# Altium PCB DI543.PcbDoc (part 7 of 8)
Units mil, origin at the board's own origin, x right, y up, seen from the top; angles counter-clockwise.
Board outline 8666.42 x 9192.01 mil, 4 copper layers (Top Layer, Mid-Layer 1, Mid-Layer 2, Bottom Layer), stack 35.6 mil thick; 694 components, 500 nets, 2441 pads, 1661 vias.
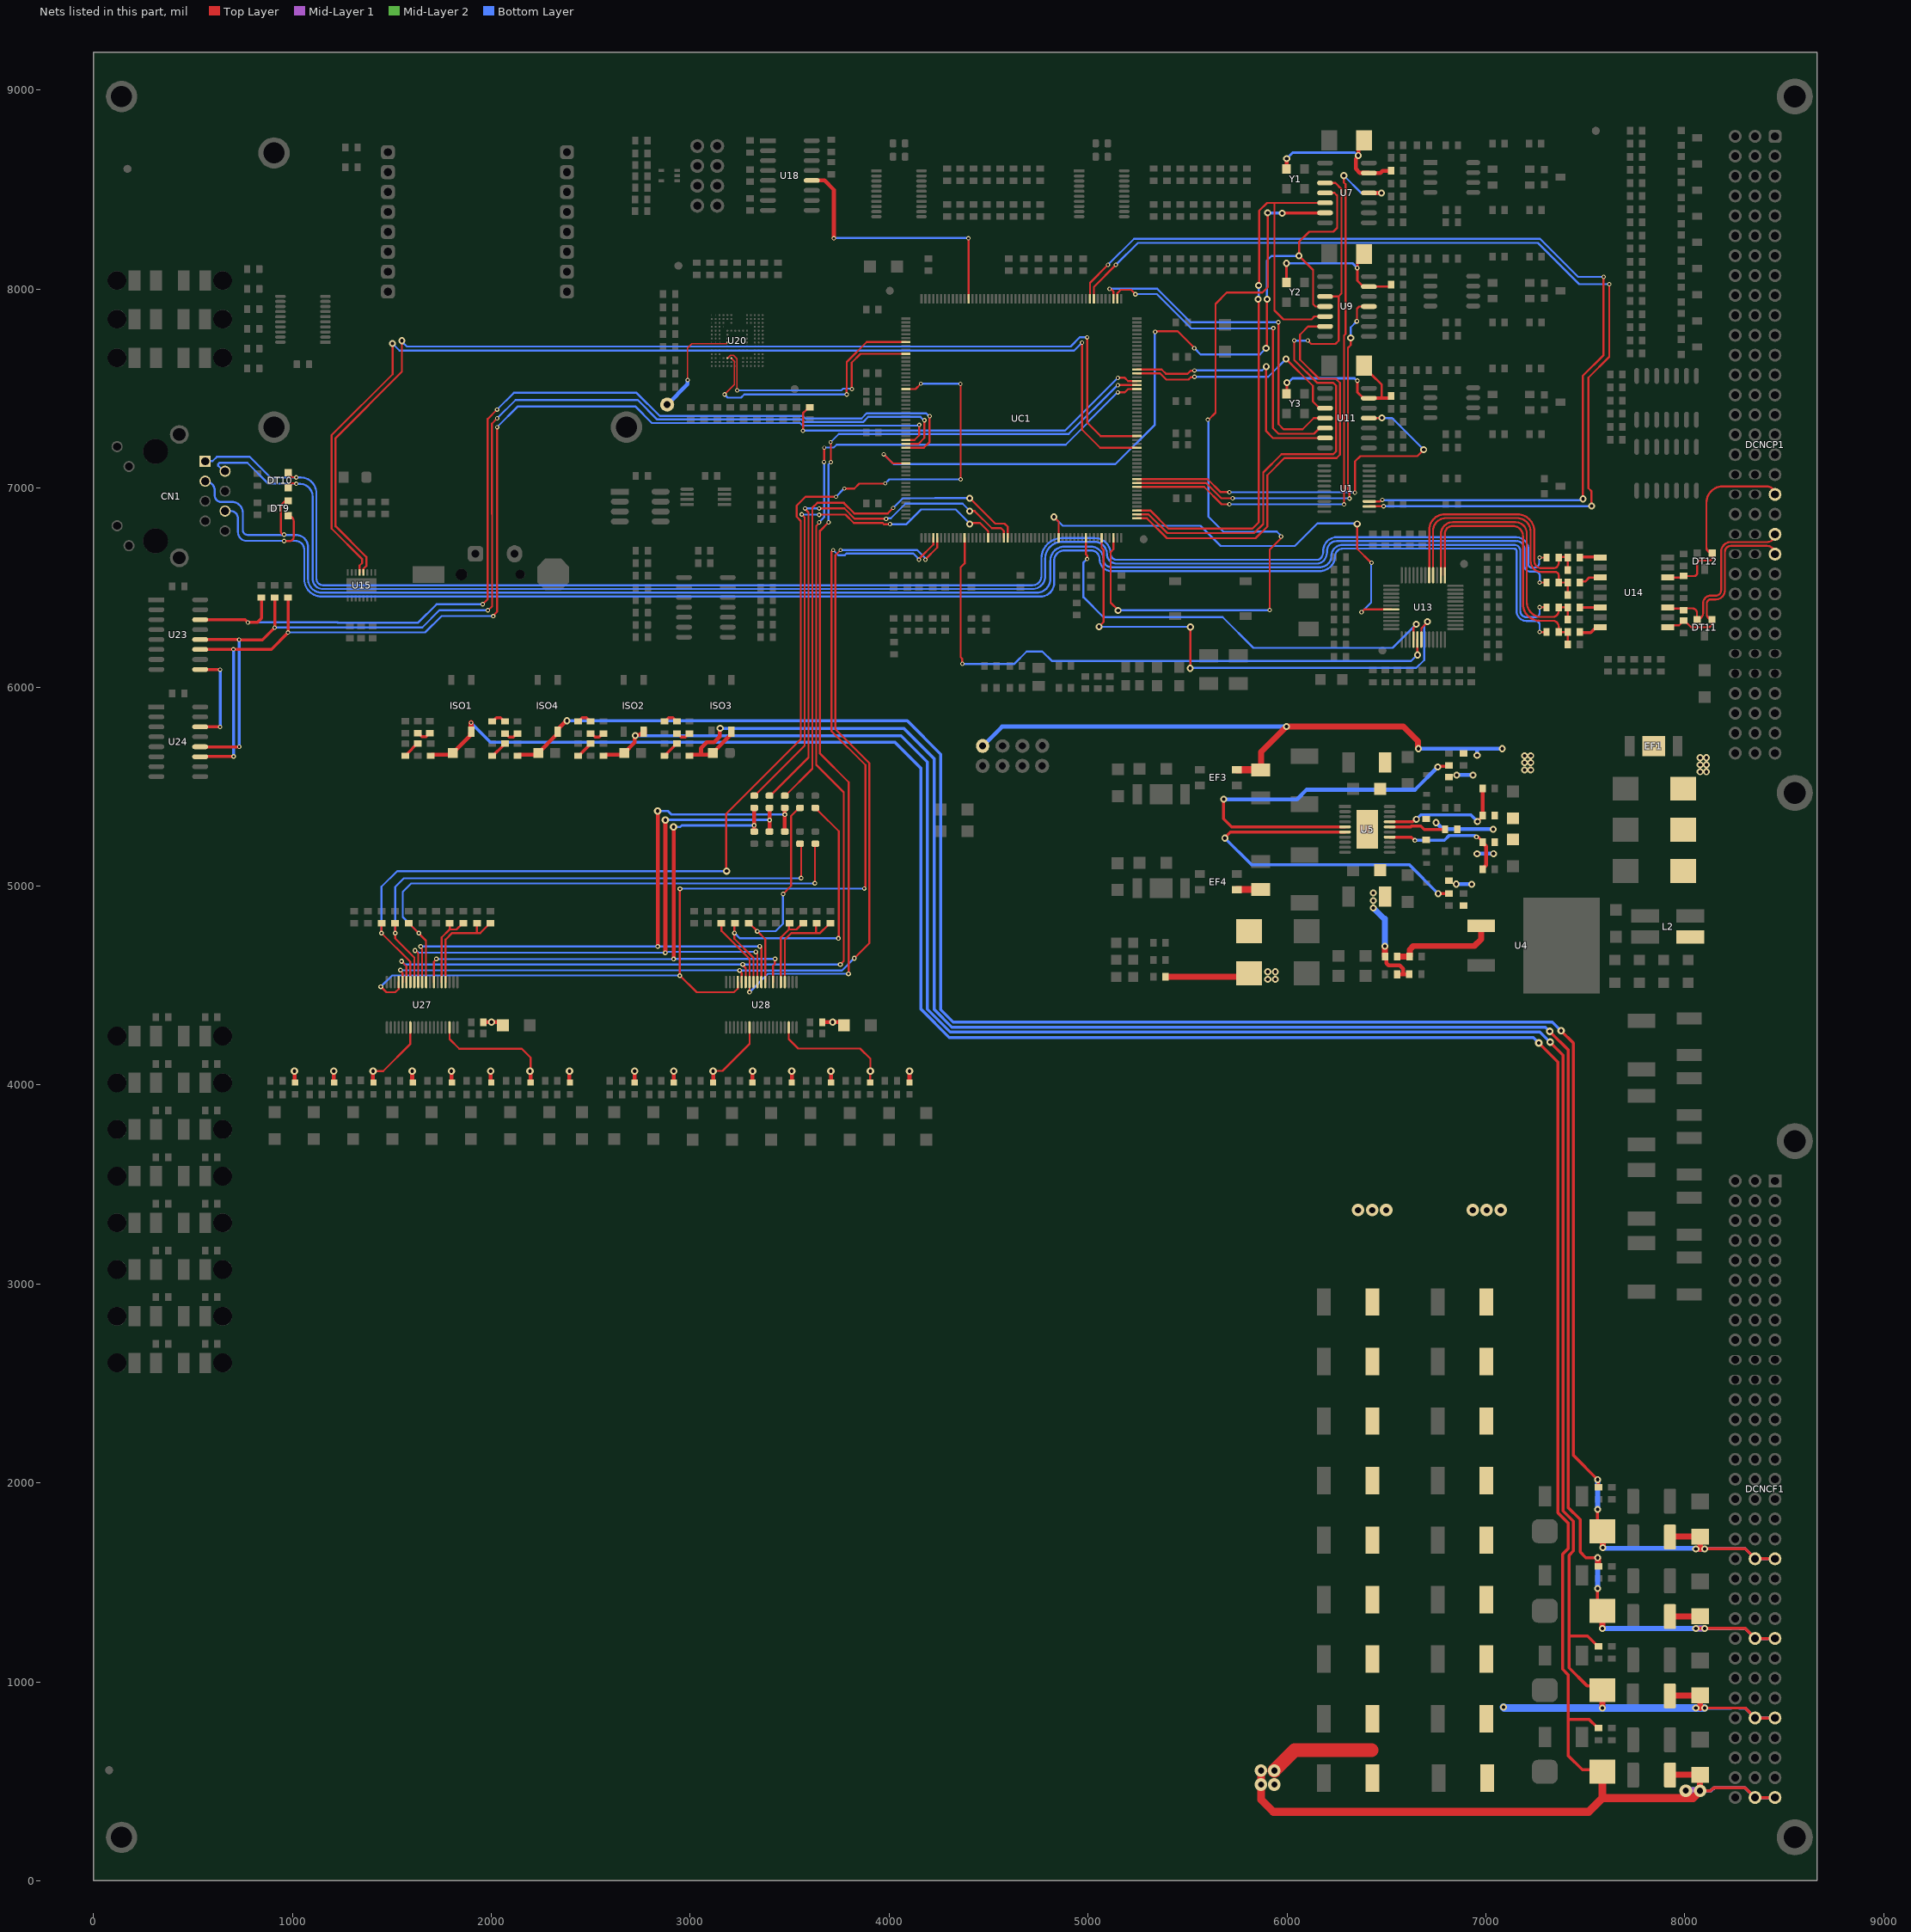
[diagram p9: the nets of this part, all layers, seen from the top]

## Via types
v1: diameter 35, hole 18, Top Layer to Bottom Layer, tented both sides, 586 vias
v2: diameter 32, hole 18, Top Layer to Bottom Layer, tented both sides, 474 vias
v3: diameter 22, hole 12, Top Layer to Bottom Layer, tented both sides, 354 vias
v4: diameter 24, hole 12, Top Layer to Bottom Layer, tented both sides, 80 vias
v5: diameter 38, hole 18, Top Layer to Bottom Layer, tented both sides, 57 vias
v6: diameter 20, hole 12, Top Layer to Bottom Layer, tented both sides, 51 vias
v7: diameter 62.99, hole 31.5, Top Layer to Bottom Layer, tented both sides, 49 vias
v8: diameter 35, hole 19, Top Layer to Bottom Layer, tented both sides, 4 vias
v9: diameter 21, hole 12, Top Layer to Bottom Layer, tented both sides, 3 vias
v10: diameter 35, hole 12, Top Layer to Bottom Layer, tented both sides, 1 vias
v11: diameter 22.01, hole 12, Top Layer to Bottom Layer, tented both sides, 1 vias
v12: diameter 35, hole 22, Top Layer to Bottom Layer, tented both sides, 1 vias

## Nets (pads, with @x,y where several pads share a name; then routed paths per layer and width w, separated by ;. In a path a pad name is that pad's centre, name@x,y a point inside that pad or via, vN(x,y) a via of type N, cw(c..) or ccw(c..) an arc to the next point about the centre after c; other vN are vias at no path point) (continued)
NetR183_2: R183.2 UC1.88 | length 1929.6
  Top Layer w10: v3(3567.25,7288.25) 3567.33,7288.34 3567.33,7376.44 3585.93,7395.04 3585.93,7395.12 3596.93,7406.12 R183.2@3600.43,7406.12 ; v3(5149.97,7554.72) 5185.34,7554.72 5202,7538.06 ; 5202,7537.74 UC1.88@5245.9,7537.74
  Bottom Layer w10: v3(3567.25,7288.25) 3568.72,7289.72 4884.97,7289.72 v3(5149.97,7554.72)
NetR184_1: R184.1 U23.14 UC1.190 | length 5195
  Top Layer w10: v3(1956.69,6416.34) 1982.42,6442.07 1982.42,7347.93 v3(2029.51,7395.02) ; UC1.190@4084.48,7203.1 4174.56,7203.1 4203.74,7232.28 v3(4203.74,7362.2)
  Top Layer w15: U23.14@536.78,6338.85 762.53,6338.85 v3(776.57,6324.8) 823.82,6324.8 845.47,6346.46 R184.1@845.47,6450.19
  Bottom Layer w10: v3(776.57,6324.8) 776.96,6325.19 1227.27,6325.19 1228.27,6324.19 1633.19,6324.19 1725.34,6416.34 v3(1956.69,6416.34) ; v3(2029.51,7395.02) 2113.49,7479 2731,7479 2846.95,7363.05 3567.17,7363.05 3580.23,7350 3861.38,7350 3887.26,7375.88 4186.82,7375.88 4200.49,7362.2 v3(4203.74,7362.2)
NetR185_1: R185.1 U23.12 U24.12 UC1.189 | length 5823.6
  Top Layer w10: v3@1984.25,6385.83 2004.59,6406.17 2004.59,6869 2003.85,6869.75 2003.85,7324.52 v3(2029.85,7350.52) ; UC1.189@4084.48,7222.78 4147.98,7222.78 4177.74,7252.54 v3(4177.74,7341.54)
  Top Layer w15: U24.12@536.78,5700.13 536.94,5699.97 733.1,5699.97 v3(733.27,5699.8) ; U23.12@536.78,6238.85 537.23,6238.39 732.08,6238.39 v3(732.53,6237.94) 850.17,6237.94 v3(911.42,6299.19) R185.1@911.42,6450.19
  Bottom Layer w10: v3(911.42,6299.19) 912.42,6300.2 1653.2,6300.2 1738.83,6385.83 v3@1984.25,6385.83 ; v3(2029.85,7350.52) 2122.33,7443 2737,7443 2834.82,7345.18 3559.77,7345.18 3572.82,7332.13 3868.78,7332.13 3894.66,7358 4158.02,7358 4174.49,7341.54 v3(4177.74,7341.54)
  Bottom Layer w15: v3(732.53,6237.94) 732.9,6237.57 732.9,5700.17 v3(733.27,5699.8)
  other v3: 1983.27,6386.32
NetR186_1: R186.1 U23.11 U24.11 UC1.188 | length 5720
  Top Layer w10: v3(2009.84,6356.3) 2009.84,6358.72 2029.85,6378.72 v3(2029.85,7306.35) ; UC1.188@4084.48,7242.47 4084.82,7242.13 4127.95,7242.13 4151.74,7265.91 v3(4151.74,7317.92)
  Top Layer w15: U24.11@536.78,5650.13 537.5,5650.85 704,5650.85 v3(704.72,5651.57) ; U23.11@536.78,6188.85 537.34,6189.4 703.72,6189.4 v3(704.28,6189.96) ; v3@704.72,6189.96 894.11,6189.96 v3(978.35,6274.2) ; v3@978.35,6274.61 978.59,6274.85 R186.1@978.59,6450.19
  Bottom Layer w10: v3(978.35,6274.2) 978.76,6274.61 1667.61,6274.61 1750.28,6357.28 2008.86,6357.28 v3(2009.84,6356.3) ; v3(2029.85,7306.35) 2134.5,7411 2724,7411 2807.7,7327.3 3552.37,7327.3 3565.42,7314.25 4139.88,7314.25 4141.25,7315.62 4149.44,7315.62 v3(4151.74,7317.92)
  Bottom Layer w15: v3(704.28,6189.96) 704.5,6189.74 704.5,5651.8 v3(704.72,5651.57)
NetR188_1: R188.1 R190.2 | length 77.5
  Top Layer w15: R188.1@1630.02,5767.65 1633.52,5767.65 1650.91,5750.26 1672.21,5750.26 1689.6,5767.65 R190.2@1693.1,5767.65
NetR196_1: R196.1 R198.2 | length 91.5
  Top Layer w15: R196.1@1567.9,5654.76 1571.4,5654.76 1577.4,5660.76 1577.4,5665.13 1628.03,5715.76 R198.2@1631.53,5715.76
NetR202_1: R202.1 R204.2 | length 78.2
  Top Layer w15: R202.1@2436.48,5827.65 2439.98,5827.65 R202.1@2448.48,5836.15 ; R202.1@2448.48,5836.69 2457.26,5845.47 2479.6,5845.47 R204.2@2488.39,5836.69 ; R204.2@2488.39,5836.15 2496.89,5827.65 R204.2@2500.39,5827.65
NetR204_1: R204.1 R206.2 | length 77.5
  Top Layer w15: R204.1@2500.39,5766.65 2503.89,5766.65 2521.28,5749.26 2542.58,5749.26 2559.97,5766.65 R206.2@2563.47,5766.65
NetR212_1: R212.1 R214.2 | length 91.6
  Top Layer w15: R212.1@2436.48,5654.76 2439.98,5654.76 2490.89,5705.67 2490.89,5709.76 2496.89,5715.76 R214.2@2500.39,5715.76
NetR218_1: R218.1 R250.2 | length 77.4
  Top Layer w15: R218.1@2870.54,5827.65 2874.04,5827.65 R218.1@2882.54,5836.15 ; R218.1@2882.54,5836.69 2891.33,5845.47 2912.84,5845.47 R250.2@2921.62,5836.69 ; R250.2@2921.62,5836.15 2930.12,5827.65 R250.2@2933.62,5827.65
NetR219_2: R219.2 UC1.18 | length 2599.4
  Top Layer w10: R219.2@3322.12,5454.07 3324,5454.07 3575.59,5705.67 3575.59,6853.41 v3(3561,6868) ; v3(3648.21,6866) 3649.14,6866.93 3781.07,6866.93 3823,6825 3968,6825 3974.28,6818.72 v3@4001.69,6818.72 ; v1@4404.53,6819.88 4409.31,6824.67 4456.83,6824.67 4497.87,6783.63 UC1.18@4497.87,6750.34
  Bottom Layer w10: v3(3561,6868) 3562,6867 3647.21,6867 v3(3648.21,6866) ; v3@4001.69,6818.72 4004.69,6818.72 4005.07,6819.11 4087.81,6819.11 4161.44,6892.74 4335.43,6892.74 4404.53,6823.64 v1@4404.53,6819.88
  other v1: 4405.51,6819.88
  other v3: 4004.69,6819.72
NetR220_2: R220.2 UC1.22 | length 2679.3
  Top Layer w10: R220.2@3400.97,5451.97 3594.9,5645.9 3594.9,6878.25 ; v3@3580.3,6900.7 3580.3,6892.46 3594.5,6878.25 ; v3@3647,6898 v3(3648.21,6898) 3775.28,6898 3826.28,6847 v3@3985,6847 ; v1(4405.51,6884.84) 4430.12,6884.84 4516.38,6798.58 4562.64,6798.58 4576.61,6784.61 UC1.22@4576.61,6750.34
  Bottom Layer w10: v3@3578,6903 3581.25,6903 3586.25,6898 v3@3647,6898 ; v3@3985,6847 3986.91,6848.91 4008.91,6848.91 4082,6922 4369.34,6922 v1@4406,6885.33
  other v3: 3985,6846 3578,6898
NetR221_2: R221.2 UC1.23 | length 2666.9
  Top Layer w10: R221.2@3476.85,5452.85 3614.21,5590.21 3614.21,6901.21 3639,6926 3772.56,6926 3825.68,6872.87 3992.95,6872.87 v6(4020.67,6900.59) ; v1(4405.51,6949.8) 4533.46,6821.85 4580.71,6821.85 4596.29,6806.27 UC1.23@4596.29,6750.34
  Bottom Layer w10: v6(4020.67,6900.59) 4069.16,6949.08 4231.2,6949.08 4231.92,6949.8 v1(4405.51,6949.8)
NetR225_2: R225.2 R226.1 U27.24 | length 392.6
  Top Layer w9.84: U27.24@1750.98,4517.67 1750.98,4741.75 1791.12,4781.88 ; R225.2@1791.12,4812.47 1791.12,4781.88 ; R226.1@1859.62,4812.47 1856.12,4812.47 1825.53,4781.88 1791.12,4781.88
NetR227_2: R227.2 R228.1 U27.23 | length 521.3
  Top Layer w9.84: U27.23@1770.67,4517.67 1770.67,4730.61 1804.05,4764 1928.12,4764 ; R228.1@1928.12,4812.47 1928.12,4764 ; R227.2@1996.62,4812.47 1993.12,4812.47 1944.65,4764 1928.12,4764
NetR250_1: R250.1 R258.2 | length 77.5
  Top Layer w15: R250.1@2933.62,5766.65 2937.12,5766.65 2954.51,5749.26 2975.81,5749.26 2993.2,5766.65 R258.2@2996.7,5766.65
NetR252_2: R252.2 R253.1 U28.24 | length 392.6
  Top Layer w9.84: U28.24@3456.17,4517.67 3456.17,4741.75 3496.3,4781.88 ; R252.2@3496.3,4812.47 3496.3,4781.88 ; R253.1@3553.7,4801.37 3534.21,4781.88 3496.3,4781.88 ; R253.1@3553.7,4801.39 R253.1@3564.78,4812.47
NetR254_2: R254.2 R255.1 U28.23 | length 521.3
  Top Layer w9.84: U28.23@3475.85,4517.67 3475.85,4730.61 3509.24,4764 3633.31,4764 ; R255.1@3633.31,4812.47 3633.31,4764 ; R254.2@3690.7,4801.37 3653.33,4764 3633.31,4764 ; R254.2@3690.7,4801.39 R254.2@3701.78,4812.47
NetR277_1: R277.1 R278.2 | length 91.2
  Top Layer w15: R277.1@2870.54,5654.76 2874.04,5654.76 2882.54,5663.26 2882.54,5666.76 2921.62,5705.84 2921.62,5707.26 2930.12,5715.76 R278.2@2933.62,5715.76
NetR280_1: R280.1 R281.2 | length 78.9
  Top Layer w15: R280.1@2004.6,5827.65 2008.1,5827.65 2026.14,5845.69 2046.97,5845.69 2065.01,5827.65 R281.2@2068.51,5827.65
NetR281_1: R281.1 R282.2 | length 77.5
  Top Layer w15: R281.1@2068.51,5766.65 2072.01,5766.65 2089.4,5749.26 2110.7,5749.26 2128.09,5766.65 R282.2@2131.59,5766.65
NetR285_1: R285.1 R286.2 | length 91.6
  Top Layer w15: R285.1@2004.6,5654.76 2008.1,5654.76 2059.01,5705.67 2059.01,5709.76 2065.01,5715.76 R286.2@2068.51,5715.76
NetR306_1: R306.1 R307.2 U4.1 | length 545.4
  Top Layer w30: R307.2@6554.54,4645.98 6554.89,4646.34 R306.1@6615.84,4646.34 ; R306.1@6616.19,4646.69 6617.19,4647.69 6617.19,4680.95 6634.77,4698.53 6942.53,4698.53 6976.74,4732.74 U4.1@6976.74,4801
NetR308_2: R308.2 U5.5 | length 1928.4
  Top Layer w15: v1(5682,5436) 5682,5338 5722.73,5297.27 U5.5@6292,5297.27 ; v1(6759,5599) 6762.63,5602.63 6811.42,5602.63 R308.2@6815.04,5606.25
  Bottom Layer w20: v1(5682,5436) 6050,5436 6098,5484 6644,5484 v1(6759,5599)
NetR310_2: R310.2 R311.2 U5.17 | length 645.6
  Top Layer w15: U5.17@6516.41,5322.86 6632.94,5322.86 6645.84,5335.75 v1(6651.25,5335.75) ; v1(6958,5324) 6958,5325.58 6975.5,5343.08 R311.2@6984,5355.08
  Top Layer w20: R311.2@6984,5355.08 R310.2@6984,5490.23
  Bottom Layer w15: v1(6651.25,5335.75) 6672.5,5357 6925,5357 v1(6958,5324)
NetR312_2: R312.2 U5.6 | length 1859.5
  Top Layer w15: v1@5687,5243 5715.68,5271.68 U5.6@6292,5271.68 ; v1(6760,4962) v1(6760,4962) 6815,4962.04 R312.2@6815.04,4962.09
  Bottom Layer w15: v1(5688,5241) 5821,5108 6614,5108 v1(6760,4962)
NetR314_1: R314.1 R315.2 U5.14 | length 650.1
  Top Layer w15: U5.14@6516.41,5246.09 6625.48,5246.09 6642.19,5229.38 v4(6643.74,5229.38) ; v4(6953,5247) 6954.72,5245.28 6962.15,5245.28 6975.5,5231.92 R315.2@6984,5219.92
  Top Layer w20: R314.1@6984,5084.77 6984,5088.27 7001,5105.27 7001,5199.42 6984,5216.42 R315.2@6984,5219.92
  Bottom Layer w15: v4(6643.74,5229.38) 6644.36,5230 6791.66,5230 6816.66,5255 6942.56,5255 6950.56,5247 v4(6953,5247)
NetR318_2: R318.2 U5.16 | length 287.3
  Top Layer w15: U5.16@6516.41,5297.27 6623,5297.27 6626.48,5300.75 6673.63,5300.75 6690.38,5284 6794.67,5284 R318.2@6795.14,5284.47
NetTP1_1: TP1.1 U20.H5 | length 538.6
  Top Layer w5.91: v3(2987.2,7543.88) 2987.2,7704.3 3009.28,7726.38 3181.38,7726.38 U20.H5@3187.29,7732.28
  Bottom Layer w20: TP1.1@2884.54,7419.93 2987.2,7522.6 v3(2987.2,7543.88)
NetU1_2: U1.2 UC1.112 | length 5113.3
  Top Layer w10: UC1.112@5029.36,7951.13 5029.36,8011.65 v3(5139.76,8122.05) ; U1.2@6414.06,6907.86 6414.77,6908.56 6486.5,6908.56 v3@6487.2,6909.27 ; v1(7531.5,6910.43) 7531.5,6984.25 7516,6999.75 7516,7555.37 7621,7660.37 v3(7621,8025.5)
  Bottom Layer w10: v3(5139.76,8122.05) 5250.81,8233.09 7261.91,8233.09 7469.5,8025.5 v3(7621,8025.5) ; v3@6487.2,6909.27 6487.79,6909.85 7530.91,6909.85 v1(7531.5,6910.43)
  other v3: 6486.22,6909.27
NetU1_3: U1.3 UC1.113 | length 5071.5
  Top Layer w10: UC1.113@5009.99,7951.13 5009.99,8031.65 v3(5100.39,8122.05) ; U1.3@6414.06,6933.45 6468.39,6933.45 6476.25,6941.31 v3(6479.5,6941.31) ; v1(7488.19,6945.87) 7488.19,7564.96 7592,7668.77 v3(7592,8062)
  Bottom Layer w10: v3(5100.39,8122.05) 5231.44,8253.09 7272.5,8253.09 7463.59,8062 v3(7592,8062) ; v3@6479.5,6940.33 6481.05,6938.78 7474.34,6938.78 7481.42,6945.87 v1@7486.22,6945.87
NetU7_4: U7.4 UC1.61 | length 3021.6
  Top Layer w10: UC1.61@5245.9,7006.25 5583.75,7006.25 5671.2,6918.8 v3(5711.16,6918.8) ; v1(6286.42,8570.87) 6286.42,8535.43 6294.61,8527.24 6294.61,7774.63 6287.09,7767.11 6287.09,6918.62 v3(6287.4,6918.31) ; U7.4@6412,8484 U7.4@6412.5,8484.5
  Top Layer w20: U7.4@6412.5,8484.5 6413.37,8483.63 v1(6476,8483.63)
  Bottom Layer w10: v3@5712.18,6917.98 5712.76,6918.55 6287.16,6918.55 v3(6287.4,6918.31) ; v1(6286.42,8570.87) 6373.65,8483.63 v1@6471.09,8483.63
NetU7_10: U7.10 U9.10 UC1.54 | length 3222
  Top Layer w10: UC1.54@5245.9,6868.45 5304.57,6868.45 5399.13,6773.9 5834.92,6773.9 5880.91,6819.88 5880.91,7078.74 5973.17,7171 6233,7171 6247.05,7185.05 6247.05,7514.95 6232,7530 6151.1,7530 6037,7644.1 v3(6037,7741.68) ; v3(6105,7742) 6122,7725 6244,7725 6260,7741 6260,7964 ; U9.10@6192,7964 6260,7964 ; U7.10@6192,8534 6244,8534 6274.61,8503.39 6274.61,7978.61 6260,7964
  Bottom Layer w10: v3(6037,7741.68) 6037.18,7741.5 6104.5,7741.5 v3(6105,7742)
NetU7_11: U7.11 U9.11 UC1.194 | length 4152.3
  Top Layer w10: v3@3973.43,7170.87 4019.93,7124.36 UC1.194@4084.48,7124.36 ; v3(5337.81,7785.67) v3@5340.11,7787.97 ; v3@5340.11,7788.48 5451.52,7788.48 5534.45,7705.55 v3(5534.45,7702.76) ; v1@5899,7703 v1@5899,7942.45 ; U9.11@6192,7913 6144,7913 6132,7925 6132,8096.35 v1(6061.02,8167.32) 6061.02,8238.02 6112,8289 6233,8289 6252.96,8308.96 6252.96,8470.04 6239,8484 U7.11@6192,8484
  Bottom Layer w10: v3@3973.49,7170.87 4023.35,7121 5138,7121 5336,7319 5336,7783.86 v3(5337.81,7785.67) ; v3(5534.45,7702.76) 5535.28,7702.76 5565.79,7672.24 5864.31,7672.24 v1(5895.06,7703) ; v1@5899,7942.45 5899,8143 5923.32,8167.32 v1(6061.02,8167.32)
  other v1: 5900.97,7950.32
  other v3: 3973.49,7170.28
NetU7_12: U7.12 U9.12 UC1.55 | length 3397.9
  Top Layer w10: UC1.55@5245.9,6888.14 5313.17,6888.14 5404.06,6797.24 5826.77,6797.24 5858.14,6828.61 v1@5858.14,7950.32 ; v1@5860.11,8018.13 5860.11,8394.11 5900,8434 5937,8434 ; U9.12@6192,7863 6138.59,7863 6124.02,7848.43 5982.57,7848.43 5937,7894 5937,8434 ; U7.12@6192,8434 5937,8434
  Bottom Layer w10: v1(5855.19,7950.32) 5858.14,7953.27 v1(5858.14,8018.13)
NetU7_13: U7.13 UC1.50 | length 4001.7
  Top Layer w10: UC1.50@5127.79,6750.34 5127.79,6692.75 5114,6678.96 5114,6424.4 5151.57,6386.83 v1(5151.57,6385.83) ; v3(5602.94,7344) 5605.82,7344 5641,7379.18 5641,7926.43 5697.83,7983.27 5876.97,7983.27 5903.54,8009.84 v1(5903.54,8383.86) ; v3(5913.8,6387.8) 5913.39,6388.2 5913.39,6691.19 5968.33,6746.14 5968.33,6754.49 v3(5970.63,6756.79) ; U7.13@6190.5,8382.5 U7.13@6192,8384
  Top Layer w15: v1(5976.38,8381.89) 5977.43,8382.94 6187.94,8382.94 U7.13@6189,8384
  Top Layer w20: U7.13@6189,8384 U7.13@6190.5,8382.5
  Bottom Layer w10: v1(5151.57,6385.83) 5152.56,6386.81 5912.81,6386.81 v3(5913.8,6387.8) ; v3(5602.94,7344) 5605,7341.94 5605,6857 5681,6781 5842.91,6781 5843.56,6781.65 5949.42,6781.65 5964.65,6766.42 5964.65,6766.01 5970.63,6760.03 v3(5970.63,6756.79) ; v1(5903.54,8383.86) v1@5904.53,8382.87 ; v1@5975.39,8382.87 v1(5976.38,8381.89)
  Bottom Layer w15: v1@5904.53,8382.87 v1@5975.39,8382.87
NetU9_4: U9.4 UC1.62 | length 2143.6
  Top Layer w10: UC1.62@5245.9,7025.93 5594.07,7025.93 5670.6,6949.4 v3@5727.03,6949.4 ; v3(6314.7,6948.04) 6314.7,6974.67 6307.09,6982.28 6307.09,7705.71 6320.86,7719.48 v1(6320.86,7754.92) ; v4(6351.97,7839) 6351.97,7901.97 6363,7913 U9.4@6412,7913
  Bottom Layer w10: v3(5726.91,6949.4) 6312.6,6949.4 v3@6316,6946 ; v1(6320.86,7754.92) 6320.86,7807.89 v4(6351.97,7839)
NetU9_13: U9.13 UC1.53 | length 2267.9
  Top Layer w10: UC1.53@5245.9,6848.77 5295.97,6848.77 5396.74,6748 5842.49,6748 5901.57,6807.09 5901.57,7064.96 5987.61,7151 6250,7151 6267.05,7168.05 6267.05,7529.16 6246.21,7550 6161.61,7550 6065.81,7645.8 6065.81,7771.81 6107,7813 U9.13@6192,7813
NetU11_4: U11.4 UC1.63 | length 1992.7
  Top Layer w10: UC1.63@5245.9,7045.62 5601.38,7045.62 5667,6980 v3(5711.16,6980) ; v3(6342,6977.78) 6342,7134 6369,7161 6656,7161 v1(6688,7193) ; U11.4@6412,7352 v1@6478,7352
  Bottom Layer w10: v3(5711.16,6980) 5711.66,6979.5 6340.28,6979.5 v3(6342,6977.78) ; v1@6478,7352 6529,7352 v1(6688,7193)
  other v1: 6478,7352.98
NetU11_10: U11.10 UC1.90 | length 1151.4
  Top Layer w10: UC1.90@5245.9,7577.11 5362.89,7577.11 5394.32,7545.68 5505,7545.68 5516.81,7557.48 5532.7,7557.48 v3(5535,7559.78) ; v1(5996.06,7649.61) 6131,7514.67 6131,7435 6164,7402 U11.10@6192,7402
  Bottom Layer w10: v3(5535,7559.78) 5906.24,7559.78 v1(5996.06,7649.61)
NetU11_11: U11.11 UC1.107 | length 1761
  Top Layer w10: v3(5108.27,8001.97) 5110.56,7999.67 5116.33,7999.67 5127.79,7988.21 UC1.107@5127.79,7951.13 ; v3(5957,7834) 5957.81,7833.19 5957.81,7321.72 5983.27,7296.26 6079.26,7296.26 6135,7352 U11.11@6192,7352
  Bottom Layer w10: v3(5108.27,8001.97) 5348.57,8001.97 5435.14,7915.4 5516.54,7834 v3(5957,7834)
NetU11_12: U11.12 UC1.106 | length 1690.5
  Top Layer w10: 5147.38,7978.85 5147.38,7969.75 5147.47,7969.66 UC1.106@5147.47,7951.13 ; 5147.38,7979.85 5164.44,7996.91 5216.85,7996.91 5238.19,7975.58 v3(5238.19,7974.41) ; v3(5931.81,7804) 5930.09,7802.27 5930.09,7301.21 5957.68,7273.62 6135.83,7273.62 6164.2,7302 U11.12@6192,7302
  Bottom Layer w10: v3(5238.19,7974.41) 5239.43,7975.65 5346.6,7975.65 5519.44,7802.81 5930.62,7802.81 v3(5931.81,7804)
NetU11_13: U11.13 UC1.91 | length 1309.4
  Top Layer w10: UC1.91@5245.9,7596.8 5370.2,7596.8 5392.2,7574.8 5500.98,7574.8 5515.66,7589.48 5532.7,7589.48 v3(5535,7591.78) ; v1(5895.67,7611.22) 5895.67,7286.42 5930.09,7252 U11.13@6192,7252
  Bottom Layer w10: v3(5535,7591.78) 5875.35,7591.78 5894.79,7611.22 v1(5895.67,7611.22)
NetU13_31: U13.31 UC1.36 | length 2394.7
  Top Layer w10: v1(4828.74,6855.32) 4852.2,6831.86 UC1.36@4852.2,6750.34 ; v1(6353.35,6820.37) 6353.35,6694.88 6423.05,6625.18 v3(6425.37,6625.18) ; v3@6374.02,6377.95 6376.72,6377.95 6389.56,6390.79 U13.31@6524.4,6390.79
  Bottom Layer w10: v1(4828.74,6855.32) 4873.06,6811 5566,6811 5667.35,6709.65 6040.35,6709.65 6153.52,6822.82 v1@6350.39,6822.82 ; v3(6375,6376.97) 6423.23,6425.2 6423.23,6623.03 v3(6425.37,6625.18)
NetU13_40: U13.40 UC1.43 | length 2220.5
  Top Layer w10: UC1.43@4989.99,6750.34 4989.99,6690.99 4989.94,6690.94 4989.94,6667.38 4995.81,6661.51 v9(4995.81,6643.81) ; U13.40@6636.6,6239.22 6636.6,6297.59 6650.59,6311.58 v1(6650.59,6315.95)
  Bottom Layer w10: v9(4995.81,6643.81) 4993.81,6643.81 4977.36,6627.36 4977.36,6451.77 5077.76,6351.38 5677.17,6351.38 5831.69,6196.85 6531.5,6196.85 v1(6650.59,6315.95)
NetU13_41: U13.41 UC1.12 | length 3067.8
  Top Layer w10: v3(4369.09,6117.5) 4366.8,6119.8 4366.8,6143.56 4359.92,6150.44 4359.92,6602.21 4379.76,6622.04 UC1.12@4379.76,6750.34 ; U13.41@6656.29,6239.22 6656.39,6239.11 6656.39,6161.52 v1(6656.5,6161.42)
  Bottom Layer w10: v3@4369.09,6115.5 4630.3,6115.5 ; 4630.3,6117.5 4691.93,6179.13 4770.67,6179.13 4817.89,6131.91 5721.06,6131.91 5721.5,6131.48 6624.66,6131.48 6654.61,6161.42 v1(6656.5,6161.42)
NetU13_42: U13.42 UC1.47 | length 2622.3
  Top Layer w10: v1(5056.1,6303.82) 5056.1,6305.38 5078,6327.28 5078,6690 5068.73,6699.27 UC1.47@5068.73,6750.34 ; v1(5513.78,6094.49) 5514.27,6094.98 5514.27,6301.67 v1(5514.76,6302.17) ; U13.42@6675.97,6239.22 6675.97,6295.55 6706.69,6326.27 v1(6706.69,6328.74)
  Bottom Layer w10: v1(5056.1,6303.82) 5056.93,6302.99 5513.94,6302.99 v1(5514.76,6302.17) ; v1(5513.78,6094.49) 5515.75,6096.46 6650.59,6096.46 6689.96,6135.83 6689.96,6310.38 6706.69,6327.11 v1(6706.69,6328.74)
NetU15_12: U15.12 UC1.74 | length 5559.6
  Top Layer w10: U15.12@1357.67,6575.75 1357.67,6594.97 1372.05,6609.34 1372.05,6653.54 1217.44,6808.15 1217.44,7251.89 1551.18,7585.63 v1(1551.18,7741.14) ; v3(4996,7758) 4996,7329 5062.92,7262.08 5245.82,7262.08 UC1.74@5245.9,7262.15
  Bottom Layer w10: v1(1551.18,7741.14) 1551.18,7735.89 1575.47,7711.6 4912.6,7711.6 4959,7758 v3(4996,7758)
NetU15_13: U15.13 UC1.71 | length 5607.4
  Top Layer w10: U15.13@1337.98,6575.75 1337.98,6610.62 1351.38,6624.02 1351.38,6642.72 1197.44,6796.65 1197.44,7266.34 1503.94,7572.83 v1(1503.94,7726.38) ; v3(4970,7731) 4970,7293.78 5060.73,7203.05 5245.85,7203.05 UC1.71@5245.9,7203.1
  Bottom Layer w10: v1@1494.77,7735.54 1538.72,7691.6 4930.6,7691.6 v3(4970,7731)
NetU20_M5: U20.M5 UC1.166 | length 1216.4
  Top Layer w5.91: U20.M5@3187.29,7653.54 3201.75,7668 3218,7668 3236,7650 v3(3236,7491.92)
  Top Layer w10: v3@3812,7498.36 3812,7631 3856.54,7675.54 UC1.166@4084.48,7675.54
  Bottom Layer w10: v3(3236,7491.92) 3760.62,7491.92 3768.64,7499.94 v3@3802.57,7499.94 ; v3@3809.91,7496.26 v3@3811.82,7498.18
  other v3: 3812.81,7498.18
NetU20_M6: U20.M6 UC1.163 | length 1337.9